# Altium PCB PCB_Amplifier.PcbDoc (part 1 of 2) (continued)
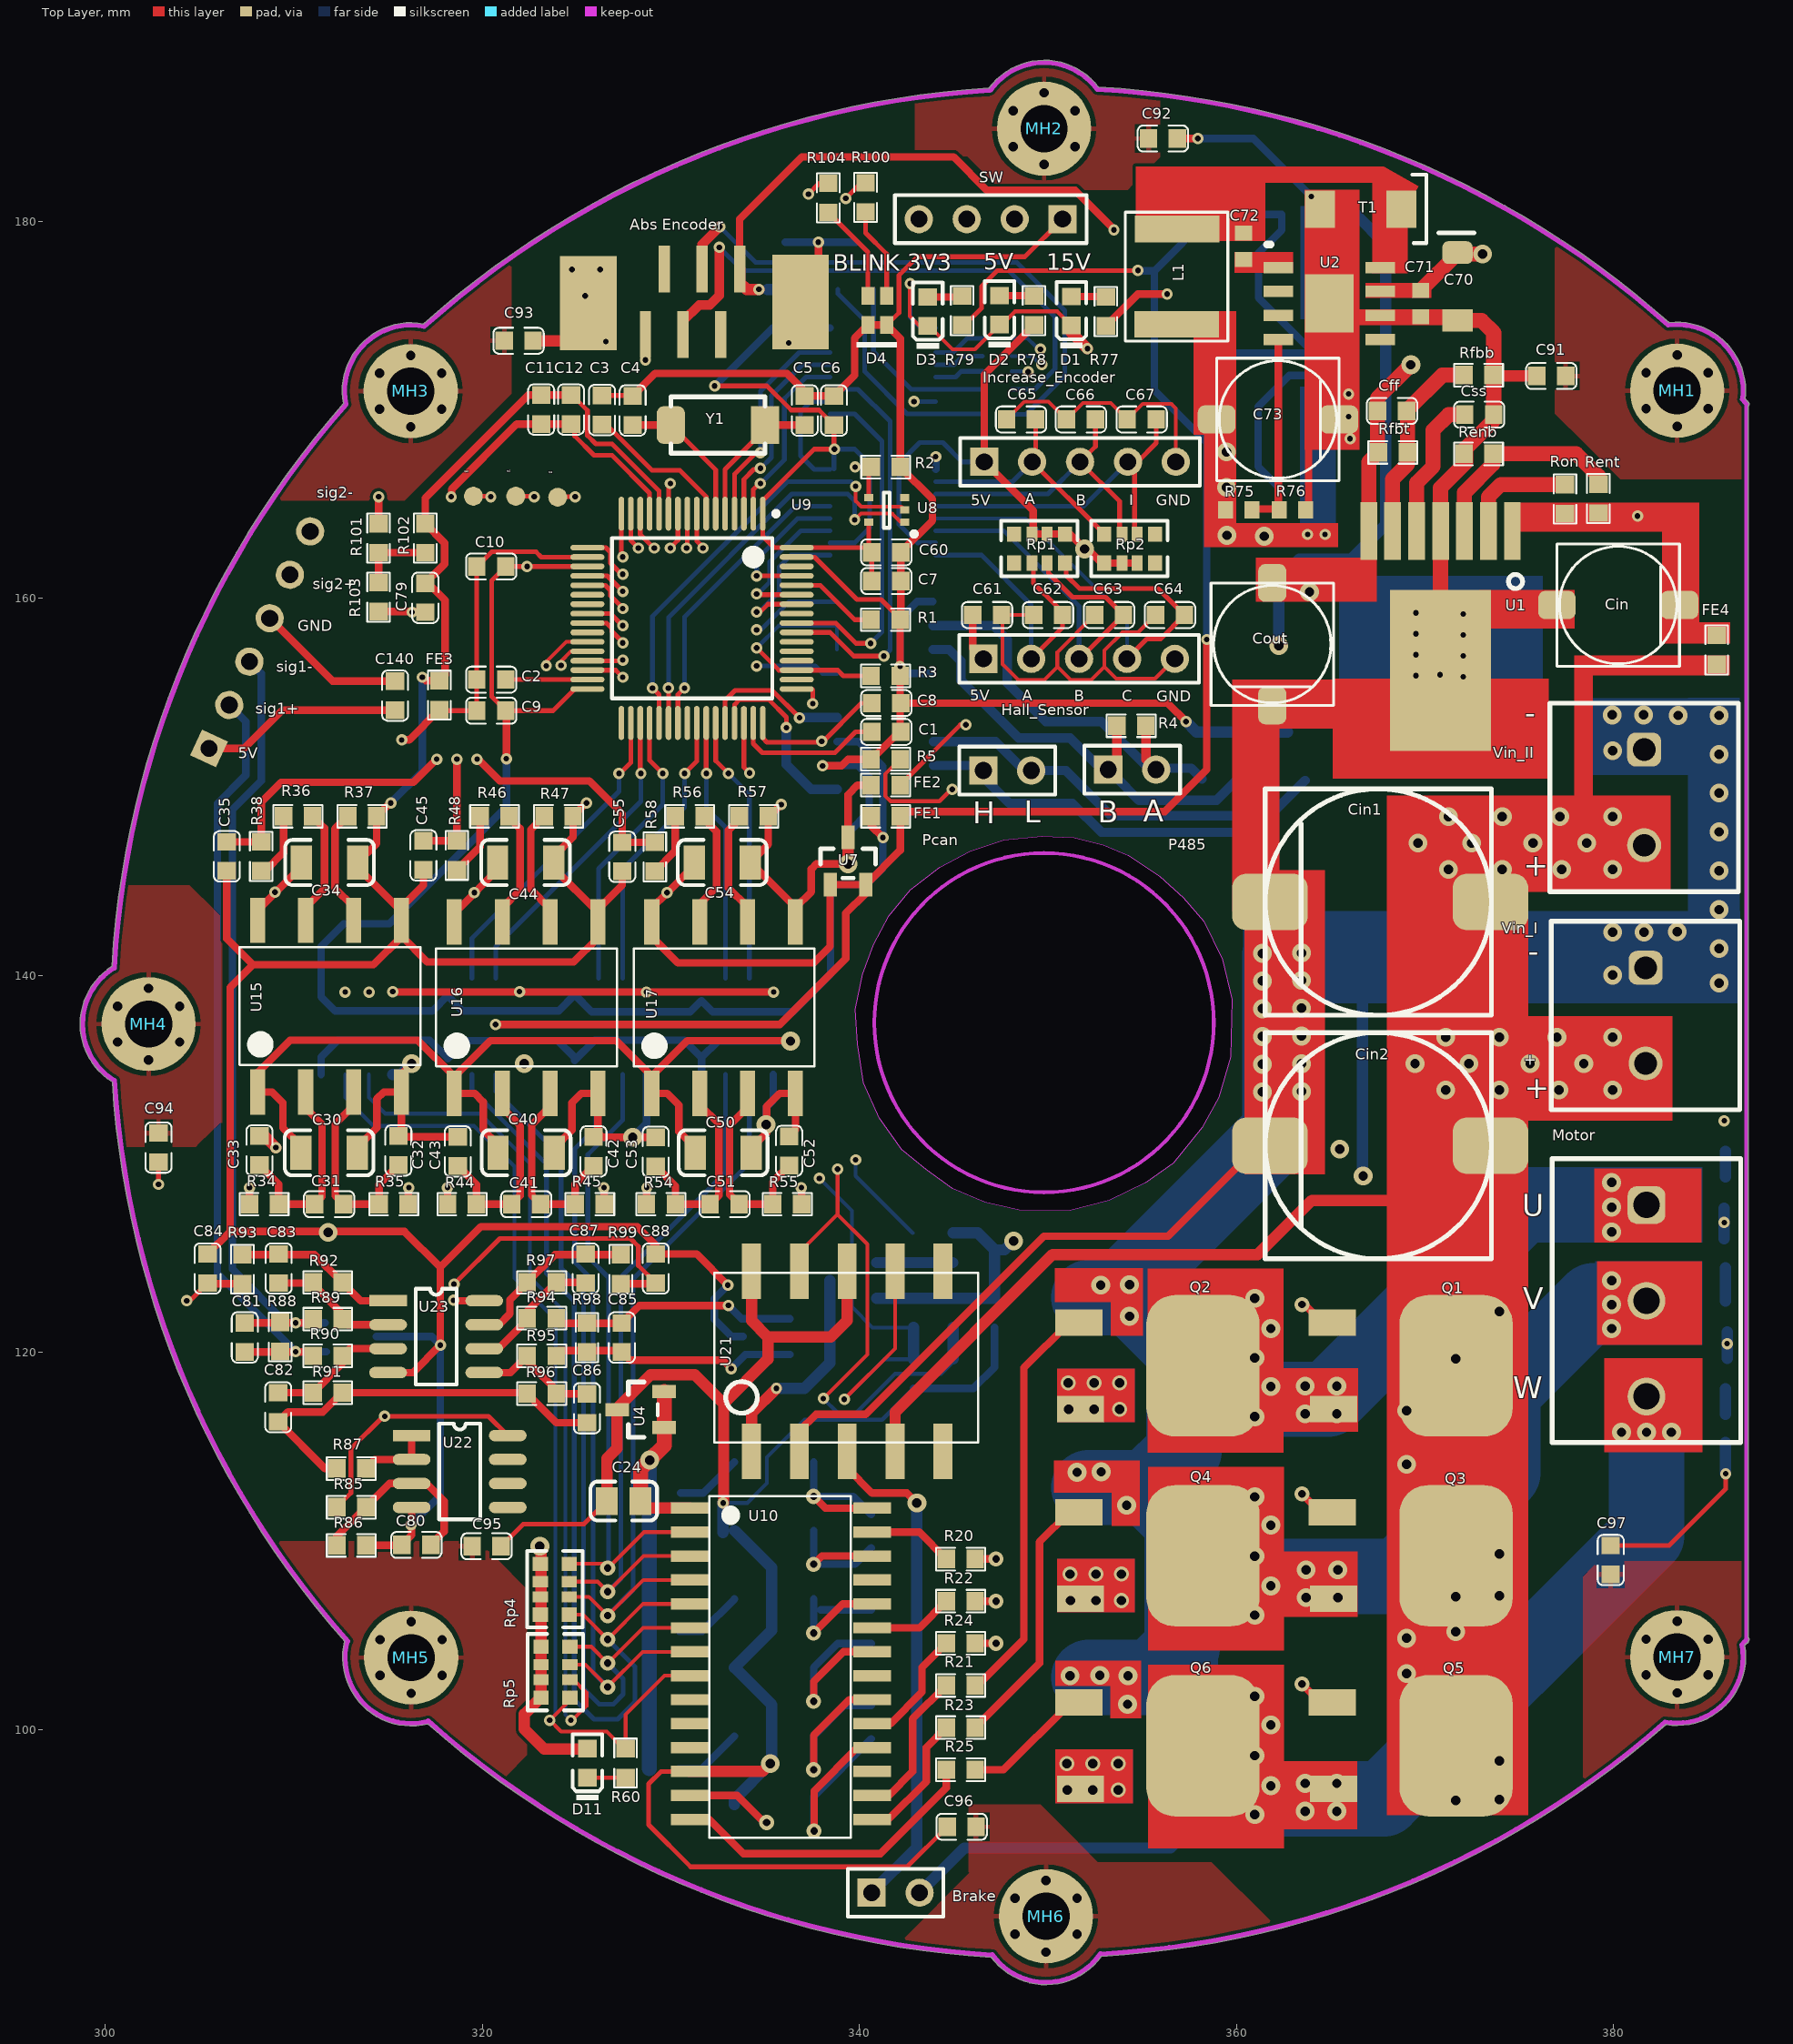
[diagram p0: Top Layer view]
## Footprints (in the part's own frame and the unit in brackets; to place one, negate y for a bottom-side part, rotate by r counter-clockwise, add the part's x,y. Pads: shape width x height; smd on the part's side, far side on the other; paste and mask are expansions set on the pad) (continued)
  rect 5.35x8.54 smd: 8(0,7.4)
  silkscreen extent -4.35,2.3 -3.6,3.05, body extent -5.12,-1.07 5.08,12.73, height 4.5
"M2 Hole" [mm] "孔径2.5mm"
  round 5 hole 2.5: 1(0,0)
SMA(DO-214AC)_S1 [mm]
  rect 2x2 smd: 1(2.1,0) 2(-2.1,0)
  silkscreen extent -2.35,-1.5 2.35,1.5
SOIC8 [mm] "TPS5430"
  rect 1.55x0.6 smd: 1(-2.7,1.905) 2(-2.7,0.635) 3(-2.7,-0.635) 4(-2.7,-1.905) 5(2.7,-1.905) 6(2.7,-0.635) 7(2.7,0.635) 8(2.7,1.905)
  rect 2.6x3.1 smd: 9(0,0)
  silkscreen extent -3.3,3.13 -3.1,3.13, body extent -2.9,-2.5 2.9,2.5, height 2.11
SOP-8 [mm]
  rect 2x0.6 smd: 1(0,0)
  oval 2x0.6 smd: 2(0,-1.27) 3(0,-2.54) 4(0,-3.81) 5(5.1,-3.81) 6(5.1,-2.54) 7(5.1,-1.27) 8(5.1,0)
  silkscreen extent 1.46,-4.45 3.64,0.63, body extent -0.32,-4.4 5.48,0.6, height 2.11
SOP_4.85mm [mm] "全差动隔离放大器"
  rect 2.4x0.8 smd: 1(-4.5,3.81) 2(-4.5,1.27) 3(-4.5,-1.27) 4(-4.5,-3.81) 5(4.6,-3.81) 6(4.6,-1.27) 7(4.6,1.27) 8(4.6,3.81)
  silkscreen extent -3.08,-4.82 3.18,4.77, body extent -5.25,-4.7 5.45,4.8, height 4.85
SOT-23(SOT-23-3) [mm]
  rect 1.25x0.7 smd: 1(1.25,-0.95) 2(1.25,0.95) 3(-1.25,0)
  silkscreen extent -0.65,-1.46 0.9,1.46, body extent -1.5,-1.5 1.5,1.5, height 1.3
"SOT-223 LM1117-3.3" [mm]
  rrect50% 1x2 smd: 1(2.3,0)
  rect 1x2 smd: 2(0,0) 3(-2.3,0)
  rect 4x3 smd: 4(0,6.3)
  silkscreen extent -3.25,1.5 3.25,5, body extent -3.25,0.03 3.25,7.33, height 1.6
STM-LQFP64_N [mm] "Thin QFP, 64-Leads, Body 10x10mm, Pitch 0.5mm, IPC Medium Density"
  oval 1.8x0.3 smd: 1(-5.55,3.75) 2(-5.55,3.25) 3(-5.55,2.75) 4(-5.55,2.25) 5(-5.55,1.75) 6(-5.55,1.25) 7(-5.55,0.75) 8(-5.55,0.25) 9(-5.55,-0.25) 10(-5.55,-0.75) 11(-5.55,-1.25) 12(-5.55,-1.75) 13(-5.55,-2.25) 14(-5.55,-2.75) 15(-5.55,-3.25) 16(-5.55,-3.75) 33(5.55,-3.75) 34(5.55,-3.25) 35(5.55,-2.75) 36(5.55,-2.25) 37(5.55,-1.75) 38(5.55,-1.25) 39(5.55,-0.75) 40(5.55,-0.25) 41(5.55,0.25) 42(5.55,0.75) 43(5.55,1.25) 44(5.55,1.75) 45(5.55,2.25) 46(5.55,2.75) 47(5.55,3.25) 48(5.55,3.75)
  oval 0.3x1.8 smd: 17(-3.75,-5.55) 18(-3.25,-5.55) 19(-2.75,-5.55) 20(-2.25,-5.55) 21(-1.75,-5.55) 22(-1.25,-5.55) 23(-0.75,-5.55) 24(-0.25,-5.55) 25(0.25,-5.55) 26(0.75,-5.55) 27(1.25,-5.55) 28(1.75,-5.55) 29(2.25,-5.55) 30(2.75,-5.55) 31(3.25,-5.55) 32(3.75,-5.55) 49(3.75,5.55) 50(3.25,5.55) 51(2.75,5.55) 52(2.25,5.55) 53(1.75,5.55) 54(1.25,5.55) 55(0.75,5.55) 56(0.25,5.55) 57(-0.25,5.55) 58(-0.75,5.55) 59(-1.25,5.55) 60(-1.75,5.55) 61(-2.25,5.55) 62(-2.75,5.55) 63(-3.25,5.55) 64(-3.75,5.55)
  silkscreen extent -5.67,-4.25 4.25,4.58, body extent -5,-5 5,5, height 1.6
testPoint [mm]
  round 1 smd: 1(0,0)
TO-252AA [mm] "IRFR3806PbF N沟道MOSFET"
  rect 1.4x2.5 smd: 1(-2.3,-6.575) 3(2.29,-6.5)
  rrect50% 7.5x6 smd: 2(0,0)
  body extent -3.3,-7.44 3.3,2.49, height 2.2
TQ2SA [mm] "双通道继电器"
  rect 1x2.94 smd: 1(0,-9.56) 2(2.54,-9.56) 3(5.08,-9.56) 4(7.62,-9.56) 5(10.16,-9.56) 6(10.16,0) 7(7.62,0) 8(5.08,0) 9(2.54,0) 10(0,0)
  silkscreen extent -1.97,-9.1 12.03,-0.1, body extent -1.95,-9.17 12.05,-0.17, height 5.6
"TSSOP 16PIN" [mm] "TXB0106 tssop"
  rect 1.6x0.3 smd: 1(0,0) 2(0,-0.65) 3(0,-1.3) 4(0,-1.95) 5(0,-2.6) 6(0,-3.25) 7(0,-3.9) 8(0,-4.55) 9(5.6,-4.55) 10(5.6,-3.9) 11(5.6,-3.25) 12(5.6,-2.6) 13(5.6,-1.95) 14(5.6,-1.3) 15(5.6,-0.65) 16(5.6,0)
  silkscreen extent 0.38,-5.3 5.2,0.72
"XTAL CPX53GB" [mm]
  rrect50% 1.5x2 smd: 1(-2.5,1.5)
  rect 1.5x2 smd: 2(2.5,1.5)
  silkscreen extent -2.5,0 2.5,3, body extent -2.48,0 2.52,3, height 0.85

## Part data
"Abs Encoder": library part "Header 7", "1mm 7pin FPC插座 下贴翻盖"
Brake: "电磁抱闸接口"
C1 C2 C3: library part "0603 2.2uF (225) 10% 16V", "贴片电容"
C4 C5: library part "0603 6pF (6R0) 0.25pF 50V", "贴片电容"
C6 C60 C61: library part "0603 10uF (106) 10% 10V", "贴片电容"
C7 C140 C153: library part "0603 1uF (105) 10% 50V", "贴片电容"
C8 C9 C10 C11 C12 C35 C45 C55 C80: library part "0603 100nF (104) 10% 50V", "贴片电容"
C21 C22 C23: library part "0805 1uF (105) 10% 50V", "贴片电容"
C24: library part "0805 22uF (226) 20% 25V", "贴片电容"
C30 C34 C40 C44 C50 C54: library part "1206 100nF (104) 10% 50V", "贴片电容"
C31 C41 C51 C82 C83 C86 C87: library part "0603 330pF (331) 5% 50V", "贴片电容"
C32 C33 C42 C43 C52 C53: library part "0603 10pF (100) 5% 50V", "贴片电容"
C62 C63 C64 C65 C66 C67 C84 C88 C91 C92 C93 C94 C95 C96 C97 C151 C152 Co1 Co2 Co3 Co4 Co5 Co6: library part "0603 1nF (102) 10% 50V", "贴片电容"
C70: library part CAPACITOR, "贴片钽电容"
C71 C72: library part Cap, "贴片电容"
C73: library part "CAPACITOR POL", "表贴电解电容 5x5.9"
C74 C77: library part "Cap Pol3", "贴片钽电容"
C75 C76: library part "Cap Semi", "贴片电容"
C79: library part "0603 4.7uF (475) 10% 16V", "贴片电容"
C81 C85: library part "0603 47pF (470) 5% 50V", "贴片电容"
Cff: library part "0603 22nF (223) 10% 50V", "贴片电容"
Cin: library part "1206 10uF (106) 10% 50V", "贴片电容"
Cin1 Cin2: library part "Cap Pol1", "表贴电解电容"
Cout: library part "Cap Pol1", "贴片电解电容"
Css: library part "0603 4.7nF (472) 10% 50V", "贴片电容"
D1 D2 D3: library part "0603 绿灯", "发光二极管"
D4: library part "0603*2 LED"
D5 D6 D7 D8 D9 D10: library part "SMA(DO-214AC) M7", "二极管"
D11: library part "0603 红灯", "发光二极管"
FE1 FE2 FE3 FE4: library part "0603 1Ω (1R00) 1%", "贴片电阻"
Hall_Sensor Increase_Encoder: library part "Header 5", "Header, 5-Pin"
L1: library part INDUCTOR_SLF, "贴片电感"
Motor: "电机绕组接线"
P485 Pcan Vin_I Vin_II: "Header, 2-Pin"
"P torque": "Header, 6-Pin"
Q1 Q2 Q3 Q4 Q5 Q6: library part NMOS-2, "N-Channel Power MOSFET 60V 43A"
Q7: library part "SOT-23 MMBT5401 2L", "三极管"
R1 R2 R3 R4 R85 R86 R91 R92 R96 R97 R102 R103: library part "0603 10KΩ (1002) 1%", "贴片电阻"
R5: library part "0603 0Ω (0R0) 1%", "贴片电阻"
R12 R13 R14 R34 R35 R36 R37 R38 R44 R45 R46 R47 R48 R54 R55 R56 R57 R58: library part "0603 10Ω (10R0) 1%", "贴片电阻"
R20 R21 R22 R23 R24 R25 R26 R27 R28 R31 R32 R33: library part "0603 100Ω (1000) 1%", "贴片电阻"
R60: library part "0603 2.2KΩ (2201) 1%", "贴片电阻"
R70: library part "0603 100KΩ (1003) 1%", "贴片电阻"
R71: library part "0603 4.7KΩ (4701) 1%", "贴片电阻"
R72 R73: library part "0603 27KΩ (2702) 1%", "贴片电阻"
R75 R76: library part res1, "贴片电阻"
R77 R78 R79 R100 R104: library part "0603 1KΩ (1001) 1%", "贴片电阻"
R81: library part "0603 220Ω (2200) 1%", "贴片电阻"
R87: library part "0603 47Ω (47R0) 1%", "贴片电阻"
R88 R98: library part "0603 47KΩ (4702) 1%", "贴片电阻"
R89 R90 R94 R95: library part "0603 11KΩ (1102) 1%", "贴片电阻"
R93 R99: library part "0603 2KΩ (2001) 1%", "贴片电阻"
R101: library part "0603 82KΩ (8202) 1%", "贴片电阻"
Renb Rent Ron: library part "0603 270KΩ (2703) 1%", "贴片电阻"
Rfbb: library part "0603 1.8KΩ (1801) 1%", "贴片电阻"
Rfbt: library part "0603 36KΩ (3602) 1%", "贴片电阻"
Rp1 Rp2 Rp3: library part "0603*4  1KΩ (102) 5%", "贴片排阻"
Rp4 Rp5: library part "0603*4  4.7KΩ (472) 5%", "贴片排阻"
SW: "Header, 4-Pin"
T1: library part B360A, "贴片肖特基二极管"
U1: "LMZ14201H 1A SIMPLE SWITCHER Power Module for High Output Voltage"
U2: library part TPS543x, "降压芯片"
U4 U5 U6 U7 U20 U24 U25 U28 U29: library part PSM712-LF-T7_[C32677], "TVS"
U8: "单路异或门"
U9: "ARM Cortex-M4 32-bit MCU+FPU, 210 DMIPS, 1024 kB Flash, 192 kB Internal RAM, 51 I/Os, 64-pin LQFP, -40 to 85 degC, Tray"
U10: "3-phase bridge driver"
U11 U12 U13: library part "ADUM 1200", "数字隔离器 1MHz"
U14: "数字隔离器 1MHz"
U15 U16 U17: library part AMC1200, "全差动隔离放大器 固定增益8倍 隔离电压4000V"
U18 U19: "6-Bit Bidirectional Level-Shifting and Voltage Translator  With Auto-Direction Sensing and ±15-kV ESD Protection"
U21: library part TQ2SA, "双通道继电器"
U22 U23: "双路运放"
Y1: "贴片无源晶振"

## Via types
v1: diameter 0.6, hole 0.3, Top Layer to Bottom Layer, 150 vias
v2: diameter 1, hole 0.5, Top Layer to Bottom Layer, 134 vias
v3: diameter 0.8, hole 0.5, Top Layer to Bottom Layer, 60 vias
v4: diameter 0.8, hole 0.4, Top Layer to Bottom Layer, 19 vias

## Nets (pads, with @x,y where several pads share a name; then routed paths per layer and width w, separated by ;. In a path a pad name is that pad's centre, name@x,y a point inside that pad or via, vN(x,y) a via of type N, cw(c..) or ccw(c..) an arc to the next point about the centre after c; other vN are vias at no path point)
3V3_A: C11.2 C12.2 C34.2 C44.2 C54.2 C76.2 C77.1 FE1.1 R79.2 R85.2 U3.2 U3.4 U7.1 U7.2 U9.13 U15.8 U16.8 U17.8 U22.8 U23.8 | length 233.7
  Top Layer w0.25: R85.2@312.28,111.8 313.03,112.55 313.03,114.905 314.75,116.625 320.325,116.625 U22.8@321.35,115.6 ; C12.2@324.55,169.255 324.9,168.905 324.9,168.625 325.925,167.6 326.875,167.6 328.875,165.6 U9.13@328.875,164.5 ; R79.2@345.453,174.505 345.58,174.505 346.475,175.4 346.475,176.55 347.325,177.4 v1(354.775,177.4)
  Top Layer w0.4: U15.8@308.09,142.925 308.09,143.465 C34.2@310.41,145.785 ; v1@318.375,165.4 318.375,165.8 321.83,169.255 C12.2@324.55,169.255 ; v1@318.5,122.75 U23.8@320.1,122.75 ; U16.8@318.75,143.55 320.81,145.61 C44.2@320.81,146 ; v1(320.7,137.4) 335.775,137.4 339.275,140.9 339.275,143.3 340.35,144.375 U7.2@340.35,144.825 ; U17.8@328.99,142.06 330.375,140.675 337.575,140.675 338.45,141.55 U7.1@338.45,144.825 U7.2@340.35,144.825 ; U17.8@328.99,143.59 v1(329.8,144.4) 331.235,145.835 C54.2@331.235,146 ; v1(358.425,157.825) 358.425,150.925 356.2,148.7 342.17,148.7 342.17,146.645 U7.2@340.35,144.825
  GND w0.4: v1(319.575,144.4) v1(329.8,144.4)
  VDD w0.4: v1(314.825,116.625) 314.825,119.125 v1(318.475,122.775) 318.583,122.775 320.7,124.892 v1(320.7,137.4) ; v1(318.35,165.4) 314.975,162.025 314.975,156.2 309,150.225 v1(309,144.425) v1@319.55,144.425
  Bottom Layer w0.4: v1@354.8,177.375 355.65,177.375 ; U3.4@358.075,173.025 U3.2@364.1,173.025 ; v1(358.425,157.825) 358.425,168.275 355.65,171.05 355.65,177.375 ; C77.1@361.125,178.125 361.125,178.275 362.4,179.55 C76.2@362.4,180.375 358.65,180.375 355.65,177.375 ; C77.1@361.175,178.075 361.175,175.95 U3.2@364.1,173.025 ; U3.2@364.375,173.025 U3.2@364.1,173.025
3V3_A_GND: C11.1 C12.1 C34.1 C35.1 C44.1 C45.1 C54.1 C55.1 C74.2 C75.1 C76.1 C77.2 C79.1 C80.1 C84.1 C88.1 FE2.1 FE3.1 R37.2 R47.2 R57.2 R86.1 R102.1 U3.3 U7.3 U9.12 U15.5 U16.5 U17.5 U22.4 U23.4 U24.3 U25.3 | length 260.6
  Top Layer w0.25: C12.1@324.755,170.795 325.575,169.975 325.575,168.647 326.022,168.2 326.875,168.2 329.375,165.7 U9.12@329.375,164.5
  Top Layer w0.4: C84.1@305.425,125.23 306.62,126.425 ; C35.1@306.45,145.555 306.45,141.95 307.825,140.575 ; R86.1@313.82,109.775 315.705,109.775 C80.1@315.73,109.8 316.25,110.32 U22.4@316.25,111.79 ; U23.4@315,118.94 316.315,118.94 v1(317.775,120.4) 317.775,124.525 ; v1@315.145,149.2 R37.2@314.395,148.45 314.395,147.005 C34.1@313.39,146 313.39,145.735 U15.5@315.6,143.525 ; U15.5@315.71,142.925 U15.5@315.71,142.09 ; U15.5@315.71,143.635 316.875,144.8 C45.1@316.875,145.605 ; v1(316.82,155.825) 317,155.645 FE3.1@317.725,155.645 318.025,155.945 318.025,159.9 317.115,160.81 C79.1@316.975,160.81 318,161.835 318,162.945 R102.1@316.975,163.97 316.975,165.325 322.445,170.795 C12.1@324.755,170.795 ; v1(325.525,149.155) R47.2@324.82,148.45 324.82,147.345 323.79,146.315 C44.1@323.79,146 323.79,145.685 U16.5@326.135,143.34 ; U16.5@326.135,142.01 324.85,140.725 317.075,140.725 U15.5@315.71,142.09 ; U16.5@326.135,143.51 327.425,144.8 C55.1@327.425,145.53 ; v1(333.025,123.575) 331.37,125.23 C88.1@329.2,125.23 329.2,125.7 328.225,126.675 319.925,126.675 317.775,124.525 ; v1(335.85,149.075) 335.225,148.45 R57.2@335.17,148.45 335.17,146.955 C54.1@334.215,146 U17.5@336.61,143.605 ; U17.5@336.61,142.85 U17.5@336.61,143.605 ; v2(339.4,145.925) 337.725,145.925 337.45,145.65 337.45,144.445 U17.5@336.61,143.605 ; U7.3@339.4,147.325 339.4,149.6 339.9,150.1 FE2.1@340.62,150.1 ; 306.62,126.425 315.875,126.425 317.775,124.525 ; 306.62,126.425 306.62,139.37 307.825,140.575 ; 307.825,140.575 314.225,140.575 315.71,142.06 U15.5@315.71,142.09
  Top Layer w0.6: v2(339.4,145.925) U7.3@339.4,147.325
  GND w0.4: v1(325.525,149.155) v1@335.77,149.155
  GND w0.6: v2(339.4,145.925) 339.4,147.175 344.6,152.375 357.675,152.375 362.25,156.95 v2(362.25,157.5)
  Bottom Layer w0.4: U24.3@314.375,120.85 317.325,120.85 v1(317.775,120.4) 317.775,112.425 v1(316.225,110.875) ; v1(315.145,149.155) 316.82,150.83 v1(316.82,155.825) ; v1(333.025,123.575) 332.3,122.85 332.3,121.775 333.225,120.85 U25.3@333.825,120.85 ; C75.1@362.375,165.775 361.15,167 C74.2@361.15,168.15 361.15,170.175 362.8,171.825 365.45,171.825 366.25,172.625 366.25,174.15 U3.3@365.075,175.325
  Bottom Layer w0.6: v2(362.25,157.5) 362.25,161 363.325,162.075 366.075,162.075 367.925,163.925 367.925,178.775 366.325,180.375 C76.1@363.8,180.375
  other v2: 311.825,126.375
3V3_D: C6.2 C7.2 C8.2 C9.2 C10.2 C60.2 FE1.2 SW.4 U6.1 U6.2 U8.5 U9.1 U9.19 U9.32 U9.48 U9.64 U11.1 U12.1 U13.1 U14.1 U18.2 U18.8 U19.2 U19.8 U19.15 U26.3 | length 175.8
  Top Layer w0.25: C9.2@321.245,154.05 320.495,154.8 320.495,160.95 C10.2@321.245,161.7 v1(322.375,161.7) U9.19@325.575,161.7 ; C9.2@321.275,154.05 323.75,154.05 324.9,155.2 U9.32@325.575,155.2 ; v1(332.325,171.275) 335.1,171.275 336.38,169.995 337.86,169.995 C6.2@338.65,169.205 ; U9.48@334.875,153.4 334.875,152.6 335.095,152.38 338.03,152.38 340.1,154.45 C8.2@340.68,154.45 ; C6.2@338.65,169.2 338.65,167.95 v1(338.675,167.925) 337.6,167.925 334.875,165.2 U9.1@334.875,164.5 334.875,163.3 335.475,162.7 U9.64@336.675,162.7 C60.2@340.405,162.7 ; C60.2@340.5,162.605 U8.5@340.5,164.05 ; C7.2@340.655,160.65 C7.2@340.655,160.925 C60.2@340.655,162.45
  Top Layer w0.4: v1(321.275,151.5) C9.2@321.275,154.02 ; FE1.2@340.63,148.7 340.63,147.94 v1(341.25,147.32)
  GND w0.4: v1(332.325,171.275) 341.175,180.125 SW.4@343.155,180.125
  VDD w0.25: v1(322.375,161.7) 323.925,161.7 328.275,166.05 328.275,167.225 v1(332.325,171.275) ; v1(338.675,167.925) 341.2,170.45 v1(342.9,170.45)
  Bottom Layer w0.25: U18.2@338.45,162.95 339.75,162.95 340.55,163.75 340.55,167.125 339.75,167.925 v1(338.675,167.925) ; U18.8@338.45,166.85 337.6,166.85 336.875,167.575 336.875,169.9 337.425,170.45 U19.2@338.45,170.45 ; U18.8@338.65,166.875 v1@338.65,167.875 ; v1(342.9,170.45) U19.15@344.05,170.45
  Bottom Layer w0.4: v1(321.275,151.5) 321.275,148.95 315.075,142.75 312.65,142.75 311.45,141.55 U14.1@311.45,139.85 311.45,138.875 312.2,138.125 317.35,138.125 318.175,138.95 318.175,138.9 318.95,138.125 324.05,138.125 324.9,138.975 325.8,138.075 331.025,138.075 331.625,138.675 332.225,138.075 336.475,138.075 338.475,140.075 U6.2@338.475,144.825 U6.1@340.375,144.825 341.25,145.7 v1(341.25,147.32) 341.25,151.1 339.935,152.415 U26.3@338.825,152.415 ; v1(332.325,171.275) 335.4,174.35 U19.8@338.45,174.35
  other v1: 338,152.425
3V3_D_GND: C1.1 C2.1 C3.2 C4.2 C5.2 C6.1 C7.1 C8.1 C9.1 C10.1 C60.1 D4.3 D4.4 FE3.2 R1.1 R2.1 R3.2 R5.2 SW.1 U6.3 U9.18 U9.63 U11.4 U12.4 U13.4 U14.4 U26.2 U27.5 U27.8 U28.3 U29.3 | length 177.3
  Top Layer w0.25: FE3.2@317.7,154.05 C9.1@319.705,154.05 C2.1@319.705,155.7 C10.1@319.705,161.7 319.725,161.7 320.5,162.475 322.85,162.475 323.125,162.2 U9.18@325.575,162.2 ; C3.2@326.35,170.77 C4.2@327.975,170.77 ; C4.2@327.975,170.745 C4.2@327.975,170.77 ; C4.2@328,170.77 C4.2@327.975,170.77 ; U9.63@336.675,162.2 337.625,162.2 339.875,159.95 341.145,159.95 R1.1@342.19,158.905 ; D4.3@341.45,174.51 342.1,175.16 342.1,177.15 343.075,178.125 348.775,178.125 SW.1@350.775,180.125 ; R3.2@342.16,155.9 v1(342.16,156.4)
  Top Layer w0.4: v1@315.25,139.125 v1(328.7,139.125) v1(335.45,139.125) ; v1(315.725,152.5) 316.12,152.5 FE3.2@317.725,154.105 ; C4.2@327.975,170.745 328,170.77 329.165,171.935 336.16,171.935 337.35,170.745 C6.1@338.65,170.745 339.75,171.845 339.75,173.81 D4.4@340.45,174.51 D4.3@341.45,174.51 342.17,173.79 R2.1@342.17,166.975 343.875,165.27 343.875,164.13 C60.1@342.195,162.45 C7.1@342.195,160.925 R1.1@342.195,158.9 ; v1(338.05,151.125) 339.05,151.125 339.4,151.475 R5.2@340.62,151.475 340.669,151.475 C1.1@342.119,152.925 ; C1.1@342.16,152.81 R3.2@342.16,155.9 ; v1(342.16,156.4) R1.1@342.16,158.865 ; C8.1@342.195,154.45 356.35,154.45 v1(357.325,153.475)
  GND w0.4: v1(315.25,139.15) 312.775,141.625 312.775,149.55 v1(315.725,152.5) 322.575,152.5 323.175,151.9 337.275,151.9 v1(338.05,151.125)
  Bottom Layer w0.4: U26.2@338.825,151.145 339.93,151.145 340.525,150.55 340.525,148.7 339.425,147.6 U6.3@339.425,147.325 ; U27.8@343.9,156.025 342.535,156.025 v1(342.16,156.4) 342.16,158.935 343.06,159.835 U27.5@343.9,159.835
  Bottom Layer w0.6: v1(357.325,153.475) 357.875,152.925 U29.3@359.125,152.925 U28.3@362.7,152.925
  other v1: 321.975,139.15
5V: "Abs Encoder.1" "P torque.1" C30.2 C40.2 C50.2 C61.2 C73.1 C74.1 C75.2 C140.2 C153.2 D11.A Hall_Sensor.1 Increase_Encoder.1 L1.1 Q7.2 R70.2 R72.2 R73.2 R75.2 R78.2 Rp1.5 Rp1.6 Rp1.7 Rp2.5 Rp2.6 Rp2.7 Rp4.5 Rp4.6 Rp4.7 Rp4.8 Rp5.5 Rp5.6 Rp5.7 Rp5.8 U3.1 U5.1 U5.2 U11.8 U12.8 U13.8 U14.8 U15.1 U16.1 U17.1 U18.15 | length 404.5
  Top Layer w0.4: 305.5,152.05 307.375,152.05 309.405,154.08 C140.2@315.375,154.08 ; C30.2@310.385,130.6 310.385,130.965 309.425,131.925 309.425,133.25 308.85,133.825 U15.1@308.09,133.825 308.09,134.865 309.8,136.575 316.575,136.575 318.515,134.635 320.43,136.55 327.1,136.55 328.99,134.66 330.88,136.55 v2@336.35,136.55 ; U16.1@318.515,133.75 319.6,133.75 320.05,133.3 320.05,131.825 C40.2@320.835,131.04 ; U17.1@328.99,133.75 329.8,133.75 330.425,133.125 330.425,131.725 C50.2@331.285,130.865 ; 333.65,177.475 333.65,180.125 336.95,183.425 345,183.425 346.775,181.65 351.45,181.65 v1@353.525,179.575 ; C61.2@346.005,159.125 346.005,157.37 Hall_Sensor.1@346.575,156.8 ; R78.2@349.264,174.505 346.625,171.866 Increase_Encoder.1@346.625,167.25 349.225,164.65 349.225,163.42 Rp1.6@349.95,163.42 Rp1.5@350.9,163.42 351.155,163.42 v2(351.95,162.625) ; v2@352.027,162.702 352.85,161.88 Rp2.5@352.975,161.88 Rp2.6@353.925,161.88 Rp2.7@354.6,161.88
  Top Layer w0.6: v2@323.105,109.725 Rp5.5@323.105,104.4 Rp5.6@323.105,103.45 Rp5.7@323.105,102.65 Rp5.8@323.105,101.7 322.225,100.82 322.225,100.025 323.275,98.975 D11.A@325.28,98.975 ; 333.65,177.475 333.65,176.775 334.025,176.4 v1(334.675,176.4)
  VDD w0.4: Hall_Sensor.1@346.575,156.8 Hall_Sensor.1@346.575,157.25
  VDD w0.6: 305.5,152.05 308.975,152.05 313.575,156.65 313.575,162.225 334.225,182.875 346.1,182.875 347.25,181.725 351.35,181.725 353.5,179.575 v1(353.5,179.55) 353.5,177.175 359.475,171.2 v2(359.475,167.775) ; v2@323.105,109.725 323.105,110.905 327.6,115.4 338.75,115.4 345.7,122.35 345.7,125.925 ; v2@336.225,136.525 336.375,136.675 336.375,145.9 344.675,154.2 348.7,154.2 350.375,155.875 350.375,158.975 354.75,163.35 v2(359.5,163.35) ; Hall_Sensor.1@346.575,157.25 v2(351.95,162.625) 355.225,165.9 v2(359.475,165.9) ; v2(348.175,125.925) 345.7,125.925 ; v2(361.475,163.3) 359.925,161.75 355.525,161.75 352.875,159.1 352.875,154.75 350.5,152.375 344.492,152.375 337.525,145.408 337.525,134.1 345.7,125.925
  Bottom Layer w0.25: U18.15@344.05,162.95 343.075,162.95 342.1,163.925 342.1,167.175 343.2,168.275 344.425,168.275 345.45,167.25 Increase_Encoder.1@346.625,167.25
  Bottom Layer w0.4: U14.8@311.45,134.75 311.45,135.675 312.35,136.575 317.2,136.575 318.175,135.6 319.125,136.55 324,136.55 324.9,135.65 324.9,135.5 325.975,136.575 330.7,136.575 U11.8@331.625,135.65 ; U11.8@331.625,134.75 U11.8@331.625,135.65 ; v2(336.35,136.525) 332.5,136.525 U11.8@331.625,135.65
  Bottom Layer w0.6: U5.2@335.125,176.4 U5.1@337.025,176.4 ; Q7.2@340.925,122.875 347.17,122.875 C153.2@347.175,122.87 347.175,125.45 ; R70.2@344.975,126.345 346.28,126.345 347.175,125.45 ; v2(348.175,125.925) 347.7,125.45 347.175,125.45
  other v1: 363.775,163.4 364.7,163.4
  other v2: 323.05,109.725
15V: C24.2 C70.1 C71.2 Cff.2 Cout.1 R12.1 R13.1 R14.1 R77.2 Rfbt.2 U1.7 U2.7 U4.1 U4.2 U10.1 | length 139.3
  Top Layer w0.4: R77.2@353.075,174.455 354.77,176.15 v1(356.325,176.15)
  Top Layer w0.6: C24.2@328.765,111.75 U10.1@331,111.75
  Top Layer w0.8: C24.2@328.39,112.125 328.39,113.815 v2(328.875,114.3) 329.65,115.075 U4.1@329.65,116.025 U4.2@329.65,117.925 ; U1.7@367.015,163.575 367.015,167.235 367.48,167.7 Cff.2@367.48,169.95 367.48,170.63 v2(369.25,172.4) ; C71.2@369.775,176.35 371.725,178.3 371.75,178.275 v2(373.05,178.275)
  GND w0.8: v2(363.875,160.35) 363.875,154.3 365.525,152.65 v2@365.525,130.75
  VDD w0.8: v2(328.875,114.3) 339.275,114.3 351.375,126.4 362.775,126.4 365.475,129.1 v2(365.475,130.8) ; v1(356.325,176.15) 360.075,172.4 v2(369.25,172.4) 373.05,176.2 v2(373.05,178.275)
  Bottom Layer w0.8: R14.1@328.855,97.925 v2@328.855,114.28
A_GND: "Abs Encoder.6" "Abs Encoder.7" "P torque.4" Brake.2 C24.1 C30.1 C32.1 C33.1 C40.1 C42.1 C43.1 C50.1 C52.1 C53.1 C61.1 C62.1 C63.1 C64.1 C65.1 C66.1 C67.1 C70.2 C71.1 C73.2 C91.1 C92.1 C93.1 C94.1 C95.1 C96.1 C97.1 C140.1 C151.1 C152.1 C153.1 Cin1.2 Cin2.2 Cin.1 Co2.1 Co4.1 Co6.1 Cout.2 Css.1 D1.K D2.K D3.K D6.1 D8.1 D10.1 FE2.2 Hall_Sensor.5 Increase_Encoder.5 R26.1 R27.1 R28.1 R31.1 R32.1 R33.1 R35.1 R45.1 R55.1 R76.1 Renb.1 Rfbb.1 T1.1 U1.4 U1.8 U2.6 U2.9 U4.3 U5.3 U10.12 U10.13 U11.5 U12.5 U13.5 U14.5 U15.4 U16.4 U17.4 U18.9 U19.9 U20.3 U21.2 U21.8 U21.10 Vin_I.1 Vin_II.1 | length 723.3
  Top Layer w0.2: v1@342.675,176.709 342.675,174.975 343.195,174.455 D3.K@343.625,174.455 343.705,174.455 344.935,173.225 346.131,173.225 D2.K@347.436,174.53 347.555,174.53 348.255,175.23 350.497,175.23 D1.K@351.247,174.48 D1.K@351.247,174.103 ; C65.1@347.805,169.5 348.755,170.45 350.03,170.45 C66.1@350.98,169.5 351.855,170.375 353.33,170.375 C67.1@354.205,169.5 355.03,170.325 356.55,170.325 356.785,170.09 Increase_Encoder.5@356.785,167.25 ; C62.1@349.238,159.125 C61.1@347.545,159.125 347.585,159.085 347.585,156.515 348.425,155.675 349.8,155.675 350.5,156.375 ; C63.1@352.472,159.125 350.5,157.153 350.5,156.375 ; C64.1@355.705,159.125 354.78,158.2 353.95,158.2 353,157.25 353,156.375 ; Hall_Sensor.5@356.735,156.8 355.685,155.75 353.625,155.75 353,156.375 ; 350.5,156.375 351.2,155.675 352.3,155.675 353,156.375
  Top Layer w0.25: v1(302.825,128.925) C94.1@302.825,130.105 ; C95.1@320.995,109.725 322.17,110.9 325.385,110.9 C24.1@326.61,112.125 ; U10.12@331,97.78 329.48,97.78 328.825,97.125 328.825,94.95 331.05,92.725 342.53,92.725 C96.1@344.655,94.85 ; FE2.2@342.16,150.1 345.36,153.3 v1(345.65,153.3) ; C97.1@379.85,109.77 382.945,109.77 385.95,112.775 v1(385.95,113.575)
  Top Layer w0.4: 308.72,158.956 312.056,155.62 C140.1@315.375,155.62 ; C30.1@313.365,130.6 313.365,130.89 314.4,131.925 314.4,133.45 314.775,133.825 U15.4@315.71,133.825 ; R35.1@316.07,127.875 v1@316.07,128.72 ; v2(316.25,135.325) 315.71,134.785 U15.4@315.71,133.825 ; C43.1@318.7,131.445 315.92,131.445 315.71,131.655 U15.4@315.71,133.825 ; C40.1@323.815,130.6 323.815,130.865 324.75,131.8 324.75,133.25 325.25,133.75 U16.4@326.135,133.75 326.135,131.68 326.395,131.42 C53.1@329.2,131.42 ; R45.1@326.47,127.875 v1@326.47,128.73 ; U10.13@331,96.51 333.515,96.51 335.075,94.95 v4(335.075,95.075) ; C50.1@334.265,130.84 335.075,131.65 335.075,133.05 335.775,133.75 U17.4@336.61,133.75 C52.1@336.61,131.805 ; U21.2@336.815,115.84 337.7,116.725 340.333,116.725 349.783,126.175 356.375,126.175 361.175,130.975 Cin2.2@361.775,130.975 ; R55.1@336.945,127.875 v1@336.945,128.73 ; 337.825,176.675 v1(337.825,178.9) ; C92.1@356.87,184.4 v1@357.9,184.4 ; R76.1@363.5,164.7 363.825,165.025 363.825,168.55 364.175,168.9
  Top Layer w0.6: C33.1@308.175,131.495 308.43,131.495 v1(309.05,130.875) ; C93.1@322.695,173.675 324.725,173.675 ; C24.1@326.61,112.125 326.61,114.385 327.15,114.925 U4.3@327.15,116.975 327.15,117.051 328.924,118.825 331.275,118.825 332.8,117.3 ; U10.12@331,97.78 334.855,97.78 v2(335.275,98.2) ; v1@332.8,112.025 332.8,117.3 ; U21.10@334.275,124.325 334.275,121.7 335.15,120.825 ; U21.2@336.815,114.765 U21.2@336.815,115.84 ; U21.8@339.355,124.325 339.355,121.7 338.48,120.825 335.15,120.825 ; D1.K@351.247,174.103 v1(352.1,173.25) ; Rfbb.1@373.66,171.8 C91.1@375.93,171.8 ; 332.8,117.3 335.15,119.65 335.15,120.825
  Top Layer w0.8: U1.8@370.825,156.175 U1.4@370.825,163.575 370.825,165.875 372.15,167.2 372.15,167.962 373.645,169.457 Css.1@373.645,169.75 373.645,174.105 373,174.75 C70.2@371.725,174.75
  GND w0.25: v1@345.65,153.175 345.65,154.2
  GND w0.4: 308.72,158.956 308.684,158.993 308.684,163.434 309.975,164.725 316.55,164.725 325.45,173.625 v1(326.55,173.625) ; v4(335.075,95.075) 335.075,94.95 336.55,93.475 353.3,93.475 355.25,95.425 355.25,102.675 ; v1(344.05,167.525) 346.325,169.8 348.9,169.8 351,171.9 351,173.25
  GND w0.6: v1(309.05,130.875) 311.375,128.55 315.9,128.55 v1(316.1,128.75) 316.25,128.9 v2(316.25,135.325) 322.325,135.325 326.45,131.2 v1(326.45,128.75) ; 326.55,130.975 327,131.425 334.375,131.425 v2(335.05,132.1) ; v1(326.55,173.625) 327.675,173.625 v1(328.65,172.65) 330.95,170.35 333.05,170.35 336.775,174.075 350.175,174.075 351,173.25 v1(352.1,173.25) 363.55,173.25 v1(365.95,170.85) ; v1(336.925,128.75) 336.925,130.225 v2(335.05,132.1) ; Hall_Sensor.5@356.735,156.8 356.785,156.85 Increase_Encoder.5@356.785,167.25 359.185,169.65 v1(365.95,169.65) ; v1(366.025,168.475) 362.65,165.1 362.65,160.375 356.475,154.2 344.65,154.2 337.075,146.625 337.075,139.1 335.05,137.075 v2(335.05,132.1)
  GND w4: 352.1,102.675 355.25,102.675 356.9,104.325 356.9,111.3 355.375,112.825 ; 352.225,112.825 355.375,112.825 ; 352.275,123.025 353.55,123.025 ; 362.725,133.85 362.725,132.2 353.55,123.025 ; 353.55,123.025 354.325,123.025 357.25,120.1 357.25,114.7 355.375,112.825
  VDD w0.25: v1(302.825,128.925) 304.775,130.875 v1(309.05,130.875)
  VDD w0.6: v1(332.775,112.025) 334.025,113.275 339.775,113.275 351.8,125.3 363.625,125.3 366.725,128.4 v2(366.725,129.375)
  Bottom Layer w0.2: v1(332.775,112.025) 334.05,112.025 335.1,113.075 335.1,114.45 337.09,116.44 341.21,116.44 C152.1@342.875,118.105
  Bottom Layer w0.25: v1(342.692,176.709) 342.692,174.933 343.275,174.35 U19.9@344.05,174.35
  Bottom Layer w0.4: v2(327.975,131.425) 328.71,132.16 U12.5@328.71,134.75 ; v2(335.05,132.1) 335.05,133 335.435,133.385 U11.5@335.435,134.75 ; U5.3@336.075,178.9 v1(337.825,178.9) U20.3@339.8,178.9 ; C152.1@342.875,118.105 346.055,118.105 347.175,119.225 C153.1@347.175,121.33 ; U18.9@344.05,166.85 v1(344.05,167.525) ; v1(357.95,184.4) 360.9,184.4 v1(363.975,181.325)
  Bottom Layer w0.6: U14.5@315.26,134.75 315.675,134.75 v2(316.25,135.325) ; D6.1@332.775,110.45 v1(332.775,112.025) ; D10.1@333.375,96.025 333.375,96.3 v2(335.275,98.2) 335.35,98.275 335.35,101.32 D8.1@333.375,103.295 335.35,105.27 335.35,108.59 D6.1@333.375,110.565 ; Brake.2@343.19,91.35 345.565,93.725 356.5,93.725 358.725,95.95 358.725,103.975 ; v2@366.685,129.4 366.685,140.95 ; R32.1@385.875,126.045 Co2.1@385.875,127.655 ; v1@385.945,113.58 Co6.1@385.945,115.225 ; R33.1@386.025,119.695 Co4.1@386.025,121.095
  Bottom Layer w4: R28.1@352.174,102.767 355.542,102.767 357.125,104.35 357.125,111.009 355.292,112.842 ; R27.1@352.174,112.842 355.292,112.842 ; R26.1@352.174,122.917 353.467,122.917 362.3,131.75 362.3,141.1 ; 354.408,122.917 357.225,120.1 357.225,114.775 355.292,112.842
  other v1: 386.025,120.475 385.875,126.9 385.875,132.295 372.025,155.85 369.525,155.908 370.8,155.958 372.025,156.958 369.525,157.017 372.025,158.067 369.525,158.125 372.025,159.175 369.525,159.233 336.25,173.55 325.45,176.05 324.75,177.45 326.25,177.45
  other v2: 354.225,101.35 351.175,102.85 354.25,102.85 352.75,102.875 354.175,111.9 351.55,113.65 352.825,113.675 354.325,121.925 352.8,123.575 354.325,123.6 361.375,133.825 363.45,133.85 361.375,135.297 322.225,135.325 363.45,135.322 361.375,136.769 363.45,136.794 361.375,138.241 363.45,138.266 385.6,139.6 361.375,139.713 363.45,139.738 379.95,140.025 361.375,141.175 363.45,141.2 385.6,141.436 379.95,142.3 381.625,142.3 383.375,142.325 385.6,143.496 385.6,145.557 385.6,147.618 385.6,149.679 385.6,151.739 379.95,151.925 383.425,153.8 385.6,153.8 379.925,153.825 381.6,153.825
ADC12_IN6: U9.22
ADC12_IN7: U9.23
ADC12_IN8: U9.26
ADC12_IN14: C84.2 R93.2 U9.24 | length 58
  Top Layer w0.25: v1(304.325,122.75) 304.485,122.75 C84.2@305.425,123.69 ; U9.24@325.575,159.2 326.807,159.2 v1(327.45,158.557)
  Top Layer w0.4: C84.2@305.46,123.655 R93.2@307.275,123.655
  VDD w0.25: v1(304.325,122.75) 316.5,122.75 319.425,125.675 319.425,138.45 322.1,141.125 322.1,153.207 v1(327.45,158.557)